# Altium PCB LAY-94611_B.PcbDoc (part 10 of 16)
Units mil, origin at the board's own origin, x right, y up, seen from the top; angles counter-clockwise.
Board outline 4133.86 x 2559.05 mil, 10 copper layers (TOP, GND02, ART03, PWR04, PWR05, ART06, GND7, ART08, GND09, BOTTOM), stack 57.82 mil thick; 1104 components, 727 nets, 3774 pads, 1630 vias.
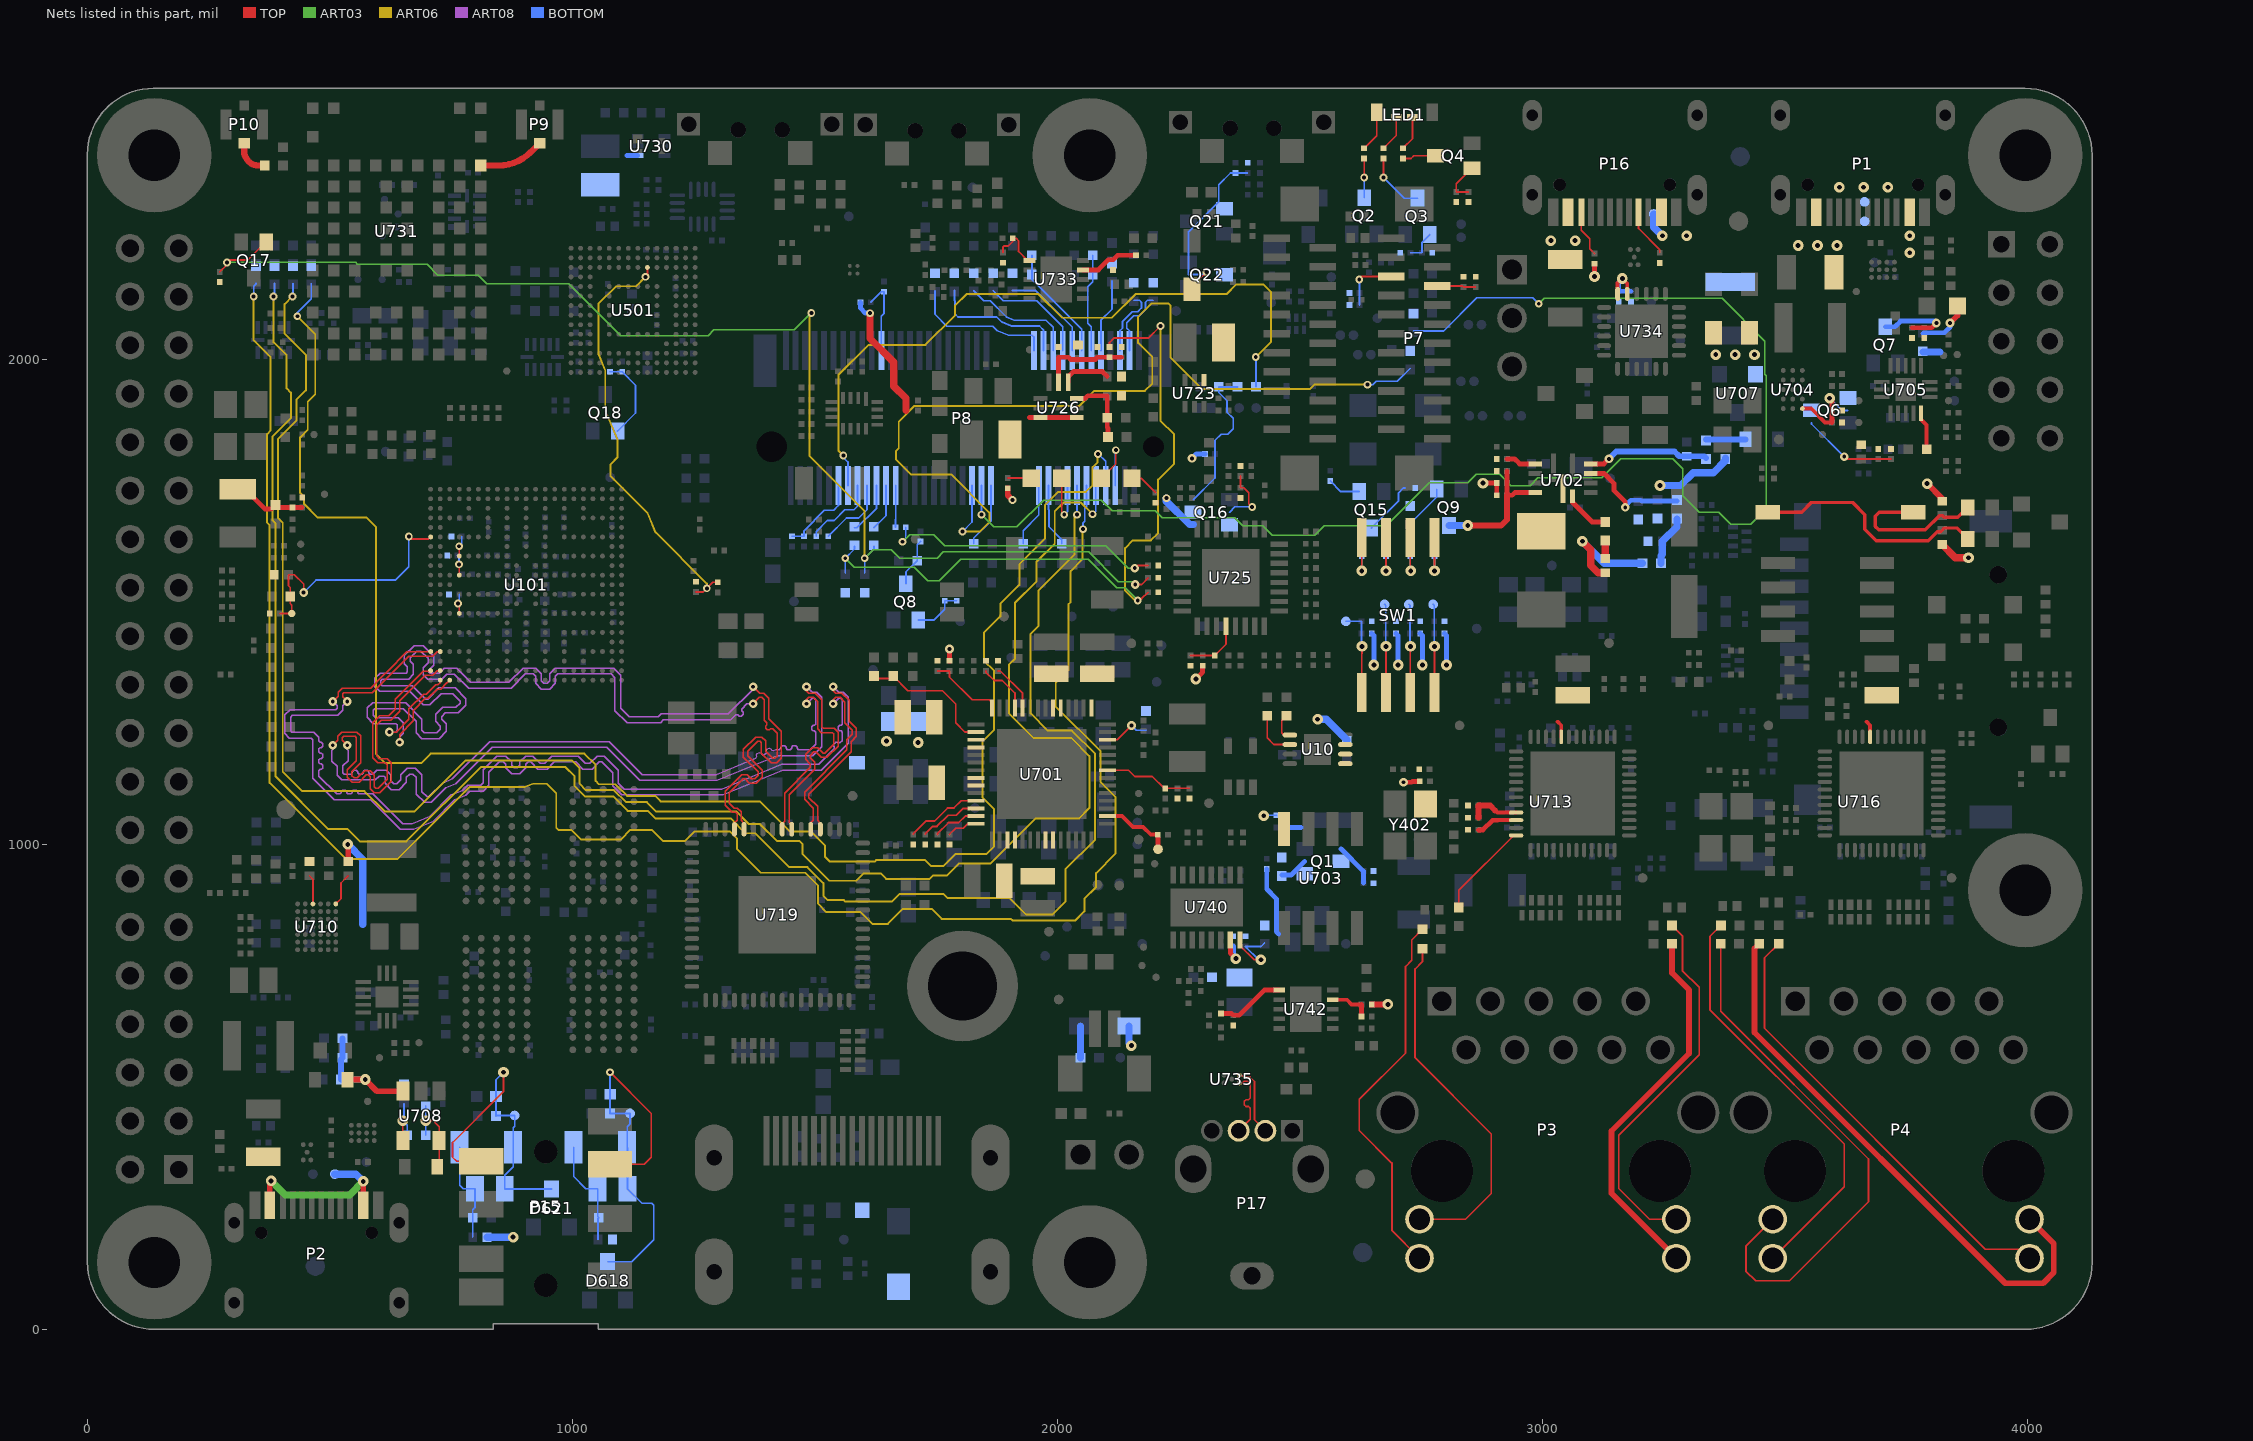
[diagram p18: the nets of this part, all layers, seen from the top]

## Via types
v1: diameter 16/16/0/0/0/0/16/0/16/16 (per signal layer), hole 8, TOP to BOTTOM, tented both sides, 177 vias
v2: diameter 22/22/0/0/0/0/22/0/22/22 (per signal layer), hole 10, TOP to BOTTOM, tented both sides, 156 vias
v3: diameter 16/0/16/0/0/0/0/0/0/16 (per signal layer), hole 8, TOP to BOTTOM, tented both sides, 137 vias
v4: diameter 16/0/0/0/0/16/0/0/0/16 (per signal layer), hole 8, TOP to BOTTOM, tented both sides, 94 vias
v5: diameter 16, hole 8, TOP to BOTTOM, tented both sides, 88 vias
v6: diameter 18/0/0/0/0/0/0/18/0/18 (per signal layer), hole 8, TOP to BOTTOM, tented both sides, 84 vias
v7: diameter 22, hole 10, TOP to BOTTOM, tented both sides, 83 vias
v8: diameter 18, hole 8.1, TOP to BOTTOM, tented both sides, 78 vias
v9: diameter 16/0/0/0/0/0/0/16/0/16 (per signal layer), hole 8, TOP to BOTTOM, tented both sides, 77 vias
v10: diameter 18/18/0/0/0/0/18/0/18/18 (per signal layer), hole 8, TOP to BOTTOM, tented both sides, 62 vias
v11: diameter 18/0/18/0/0/0/0/0/0/18 (per signal layer), hole 8, TOP to BOTTOM, tented both sides, 50 vias
v12: diameter 16/0/0/16/0/0/0/0/0/16 (per signal layer), hole 8, TOP to BOTTOM, tented both sides, 49 vias
v13: diameter 22/0/0/0/22/0/0/0/0/22 (per signal layer), hole 10, TOP to BOTTOM, tented both sides, 49 vias
v14: diameter 22/0/22/0/0/0/0/0/0/22 (per signal layer), hole 10, TOP to BOTTOM, tented both sides, 48 vias
v15: diameter 18, hole 8, TOP to BOTTOM, tented both sides, 47 vias
v16: diameter 16/0/0/0/16/0/0/0/0/16 (per signal layer), hole 8, TOP to BOTTOM, tented both sides, 40 vias
v17: diameter 22/0/0/22/0/0/0/0/0/22 (per signal layer), hole 10, TOP to BOTTOM, tented both sides, 40 vias
v18: diameter 22/0/0/0/0/0/0/22/0/22 (per signal layer), hole 10, TOP to BOTTOM, tented both sides, 31 vias
v19: diameter 22/0/0/0/0/22/0/0/0/22 (per signal layer), hole 10, TOP to BOTTOM, tented both sides, 30 vias
v20: diameter 18/0/0/0/0/18/0/0/0/18 (per signal layer), hole 8, TOP to BOTTOM, tented both sides, 27 vias
v21: diameter 16/16/16/0/0/0/0/0/0/16 (per signal layer), hole 8, TOP to BOTTOM, tented both sides, 24 vias
v22: diameter 16/0/16/0/0/16/0/0/0/16 (per signal layer), hole 8, TOP to BOTTOM, tented both sides, 14 vias
v23: diameter 22/22/0/22/0/0/22/0/22/22 (per signal layer), hole 10, TOP to BOTTOM, tented both sides, 14 vias
v24: diameter 16/16/16/0/0/0/16/0/16/16 (per signal layer), hole 8, TOP to BOTTOM, tented both sides, 11 vias
v25: diameter 18/0/0/0/0/18/0/18/0/18 (per signal layer), hole 8, TOP to BOTTOM, tented both sides, 11 vias
v26: diameter 18/0/0/18/0/0/0/0/0/18 (per signal layer), hole 8, TOP to BOTTOM, tented both sides, 11 vias
v27: diameter 18/0/0/0/18/0/0/0/0/18 (per signal layer), hole 8, TOP to BOTTOM, tented both sides, 10 vias
v28: diameter 16/0/16/0/0/0/0/16/0/16 (per signal layer), hole 8, TOP to BOTTOM, tented both sides, 8 vias
v29: diameter 16/16/0/16/0/0/16/0/16/16 (per signal layer), hole 8, TOP to BOTTOM, tented both sides, 8 vias
v30: diameter 18/18/0/18/0/0/18/0/18/18 (per signal layer), hole 8, TOP to BOTTOM, tented both sides, 6 vias
v31: diameter 22/0/0/0/22/22/0/0/0/22 (per signal layer), hole 10, TOP to BOTTOM, tented both sides, 6 vias
v32: diameter 16/0/16/16/0/0/0/0/0/16 (per signal layer), hole 8, TOP to BOTTOM, tented both sides, 5 vias
v33: diameter 18/18/0/18/18/0/18/0/18/18 (per signal layer), hole 8, TOP to BOTTOM, tented both sides, 5 vias
v34: diameter 16/0/0/0/0/16/0/16/0/16 (per signal layer), hole 8, TOP to BOTTOM, tented both sides, 4 vias
v35: diameter 22/0/22/22/0/0/0/0/0/22 (per signal layer), hole 10, TOP to BOTTOM, tented both sides, 4 vias
v36: diameter 16/0/16/16/0/16/0/0/0/16 (per signal layer), hole 8, TOP to BOTTOM, tented both sides, 3 vias
v37: diameter 22/22/0/0/22/0/22/0/22/22 (per signal layer), hole 10, TOP to BOTTOM, tented both sides, 3 vias
v38: diameter 22/0/0/22/22/22/0/0/0/22 (per signal layer), hole 10, TOP to BOTTOM, tented both sides, 3 vias
v39: diameter 22/0/22/0/0/22/0/0/0/22 (per signal layer), hole 10, TOP to BOTTOM, tented both sides, 3 vias
v40: diameter 22/0/22/0/0/0/0/22/0/22 (per signal layer), hole 10, TOP to BOTTOM, tented both sides, 3 vias
v41: diameter 16/0/16/0/16/0/0/0/0/16 (per signal layer), hole 8, TOP to BOTTOM, tented both sides, 3 vias
v42: diameter 22/22/0/22/22/0/22/0/22/22 (per signal layer), hole 10, TOP to BOTTOM, tented both sides, 2 vias
v43: diameter 18/0/18/0/0/0/0/18/0/18 (per signal layer), hole 8, TOP to BOTTOM, tented both sides, 2 vias
v44: diameter 22/0/0/22/0/22/0/0/0/22 (per signal layer), hole 10, TOP to BOTTOM, tented both sides, 2 vias
v45: diameter 22/0/0/0/0/22/0/22/0/22 (per signal layer), hole 10, TOP to BOTTOM, tented both sides, 2 vias
v46: diameter 22/0/22/0/22/0/0/0/0/22 (per signal layer), hole 10, TOP to BOTTOM, tented both sides, 2 vias
v47: diameter 22/0/0/22/22/0/0/0/0/22 (per signal layer), hole 10, TOP to BOTTOM, tented both sides, 2 vias
v48: diameter 16/0/0/16/0/16/0/0/0/16 (per signal layer), hole 8, TOP to BOTTOM, tented both sides, 1 vias
v49: diameter 18/0/18/0/0/18/0/0/0/18 (per signal layer), hole 8, TOP to BOTTOM, tented both sides, 1 vias
v50: diameter 18/18/0/0/18/0/18/0/18/18 (per signal layer), hole 8, TOP to BOTTOM, tented both sides, 1 vias
v51: diameter 16/16/0/16/16/0/16/0/16/16 (per signal layer), hole 8, TOP to BOTTOM, tented both sides, 1 vias
v52: diameter 18/0/18/0/18/0/0/0/0/18 (per signal layer), hole 8, TOP to BOTTOM, tented both sides, 1 vias
v53: diameter 18/0/0/0/18/18/0/0/0/18 (per signal layer), hole 8, TOP to BOTTOM, tented both sides, 1 vias
v54: diameter 22/0/22/0/22/22/0/22/0/22 (per signal layer), hole 10, TOP to BOTTOM, tented both sides, 1 vias
v55: diameter 22/0/0/0/22/22/0/22/0/22 (per signal layer), hole 10, TOP to BOTTOM, tented both sides, 1 vias
v56: diameter 16/16/16/0/0/0/16/0/0/16 (per signal layer), hole 8, TOP to BOTTOM, tented both sides, 1 vias
v57: diameter 22/0/0/22/0/0/0/22/0/22 (per signal layer), hole 10, TOP to BOTTOM, tented both sides, 1 vias
v58: diameter 16/0/0/0/16/16/0/0/0/16 (per signal layer), hole 8, TOP to BOTTOM, tented both sides, 1 vias
v59: diameter 16/0/0/16/16/0/0/0/0/16 (per signal layer), hole 8, TOP to BOTTOM, tented both sides, 1 vias

## Nets (pads, with @x,y where several pads share a name; then routed paths per layer and width w, separated by ;. In a path a pad name is that pad's centre, name@x,y a point inside that pad or via, vN(x,y) a via of type N, cw(c..) or ccw(c..) an arc to the next point about the centre after c; other vN are vias at no path point) (continued)
LVDS_TX1_N: U101.A4 U719.20 | length 2413.4
  TOP w2.79: v6(505.8,1294.45) 517.2,1305.85 517.2,1313.79 525.21,1321.8 583.79,1321.8 610.37,1348.38 ; 610.38,1348.38 617.8,1355.8 658.79,1396.8 706.86,1396.8 U101.A4@707.75,1397.69 ; U719.20@1511.38,1031.18 1511.38,1044.05 1505.91,1049.52 1505.91,1049.67 1505.96,1049.72 1505.96,1078.29 1487.6,1096.65 1487.6,1103.79 1574.8,1190.99 1574.8,1212 1585.8,1223 1585.8,1239 1570.6,1254.2 1570.6,1297.02 1555.7,1311.92 1542.75,1311.92 1537.8,1316.87 v6(1537.8,1325)
  ART08 w2.81: v6(505.8,1294.45) 514.8,1285.45 514.8,1281.2 511.55,1277.95 417.77,1277.95 406.8,1266.98 406.8,1228.84 416.64,1219 461.99,1219 464.8,1216.19 464.8,1136.02 508.82,1092 583.82,1092 644.82,1031 672.66,1031 713.89,1048.1 757.44,1091.66 779.67,1100.87 788.8,1110 816.04,1110 827.88,1121.84 827.88,1149.08 848.8,1170 857.92,1170 862.86,1165.06 862.86,1157.96 874.82,1146 891.76,1146 903.72,1157.96 903.72,1165.06 908.66,1170 913.8,1170 928.8,1155 947.8,1155 962.8,1170 1006.8,1170 1021.8,1155 1040.78,1155 1055.78,1170 1060.82,1170 1082.92,1147.9 1082.92,1121.3 1102.22,1102 1310.82,1102 1433.95,1153 1512.8,1153 1568.8,1209 1568.8,1303.23 1558.53,1313.5 1549.3,1313.5 v6(1537.8,1325)
LVDS_TX1_P: U101.B4 U719.21 | length 2411.7
  TOP w2.79: v6(535.8,1294.45) 526,1304.25 526,1310.14 528.86,1313 587.44,1313 614.02,1339.58 ; 614.03,1339.58 624.03,1349.58 ; 624.02,1349.58 662.44,1388 711.89,1388 721.58,1397.69 U101.B4@727.43,1397.69 ; U719.21@1491.7,1031.18 1491.7,1044.26 1497.16,1049.72 1497.16,1074.64 1478.8,1093 1478.8,1107.44 1566,1194.64 1566,1215.65 1577,1226.65 1577,1235.35 1561.8,1250.55 1561.8,1293.37 1552.05,1303.12 1542.8,1303.12 1537.8,1298.12 v6(1537.8,1290)
  ART08 w2.81: v6(535.8,1294.45) 526.8,1285.45 526.8,1276.22 516.53,1265.95 422.75,1265.95 418.8,1262 418.8,1233.82 421.62,1231 466.97,1231 476.8,1221.17 476.8,1213.58 479.61,1210.77 481.99,1210.77 484.8,1207.96 484.8,1202.34 481.99,1199.53 479.61,1199.53 476.8,1196.72 476.8,1191.1 479.61,1188.29 481.99,1188.29 484.8,1185.48 484.8,1179.86 481.99,1177.05 479.61,1177.05 476.8,1174.24 476.8,1168.62 479.61,1165.81 481.99,1165.81 484.8,1163 484.8,1157.38 481.99,1154.57 479.61,1154.57 476.8,1151.76 476.8,1141 513.8,1104 520.38,1104 523.19,1106.81 523.19,1109.19 526,1112 531.62,1112 534.43,1109.19 534.43,1106.81 537.24,1104 542.86,1104 545.67,1106.81 545.67,1109.19 548.48,1112 554.1,1112 556.91,1109.19 556.91,1106.81 559.72,1104 588.8,1104 649.8,1043 670.26,1043 707.08,1058.28 750.64,1101.84 772.87,1111.05 783.82,1122 811.06,1122 815.88,1126.82 815.88,1154.06 843.82,1182 862.9,1182 874.86,1170.04 874.86,1162.94 879.8,1158 886.78,1158 891.72,1162.94 891.72,1170.04 903.68,1182 918.78,1182 933.78,1167 942.82,1167 957.82,1182 1011.78,1182 1026.78,1167 1035.8,1167 1050.8,1182 1065.8,1182 1094.92,1152.88 1094.92,1126.28 1107.2,1114 1308.43,1114 1431.56,1165 1507.82,1165 1539.97,1197.15 1539.97,1201.13 1538.94,1202.16 1538.94,1206.14 1542.91,1210.11 1546.89,1210.11 1547.92,1209.08 1551.9,1209.08 1556.8,1213.98 1556.8,1231.2 1553.99,1234.01 1551.61,1234.01 1548.8,1236.82 1548.8,1242.44 1551.61,1245.25 1553.99,1245.25 1556.8,1248.06 1556.8,1298.25 1553.55,1301.5 1549.3,1301.5 v6(1537.8,1290)
LVDS_TX2_N: U101.A2 U719.23 | length 2413.6
  TOP w2.79: v6(505.8,1204.45) 516.42,1215.07 516.42,1223.31 518.97,1225.86 518.97,1225.93 524.77,1231.73 555.65,1231.73 563.6,1223.78 563.6,1168.79 544.8,1149.99 544.8,1142.01 549.8,1137.01 556.81,1137.01 571.68,1151.88 582.92,1151.88 591.8,1143 591.8,1118.52 594.6,1115.72 599.51,1115.72 618,1134.21 618,1164.41 614.21,1168.2 598.6,1168.2 588,1178.8 588,1250.65 602.35,1265 621.35,1265 635,1278.65 635,1299.65 692.62,1357.27 706.7,1357.27 U101.A2@707.75,1358.32 ; U719.23@1452.33,1031.18 1452.33,1040.47 1446.86,1045.94 1446.86,1102.06 1499.69,1154.89 1499.69,1169.11 1490.11,1178.69 1490.11,1182.62 1498.04,1190.55 1501.98,1190.55 1513.27,1179.26 1524.5,1179.26 1547.8,1202.56 1547.8,1231.5 1539.85,1239.45 1517.35,1239.45 1514.55,1242.25 1514.55,1298 1500.68,1311.87 1487.8,1311.87 1482.8,1316.87 v6(1482.8,1325)
  ART08 w2.81: v6(505.8,1204.45) 505.8,1195.45 504.3,1193.95 504.3,1171.5 514.8,1161 514.8,1142.83 524.63,1133 593.78,1133 601.78,1141 610.99,1141 613.8,1138.19 613.8,1125.83 626.63,1113 642.79,1113 657.8,1128.01 657.8,1138.19 664.61,1145 670.98,1145 677.8,1138.18 677.8,1103.8 695.24,1086.36 709.16,1086.36 739.09,1116.3 759.57,1124.77 834.8,1200 1070.82,1200 1138.82,1132 1298.94,1132 1422.07,1183 1495.8,1183 1513.8,1201 1513.8,1303.23 1503.53,1313.5 1494.3,1313.5 v6(1482.8,1325)
LVDS_TX2_P: U101.B2 U719.24 | length 2413.3
  TOP w2.79: v6(535.8,1204.45) 525.17,1215.08 525.17,1219.68 528.42,1222.93 552,1222.93 554.8,1220.13 554.8,1172.44 536,1153.64 536,1138.36 538.56,1135.79 546.15,1128.21 560.46,1128.21 575.33,1143.08 579.27,1143.08 583,1139.35 583,1114.87 590.95,1106.92 603.16,1106.92 626.8,1130.56 626.8,1168.06 617.86,1177 602.25,1177 596.8,1182.45 596.8,1247 606,1256.2 625,1256.2 643.8,1275 643.8,1296 696.27,1348.47 711.73,1348.47 721.58,1358.32 U101.B2@727.43,1358.32 ; U719.24@1432.64,1031.18 1432.64,1041.85 1438.06,1047.27 1438.06,1105.71 1490.89,1158.54 1490.89,1165.46 1481.31,1175.04 1481.31,1186.27 1494.39,1199.35 1505.63,1199.35 1516.92,1188.06 1520.85,1188.06 1539,1206.21 1539,1227.85 1536.2,1230.65 1513.7,1230.65 1505.75,1238.6 1505.75,1294.35 1496.98,1303.12 1487.8,1303.12 1482.8,1298.12 v6(1482.8,1290)
  ART08 w2.81: v6(535.8,1204.45) 535.8,1195.45 537.3,1193.95 537.3,1172.5 526.8,1162 526.8,1147.81 529.61,1145 543.56,1145 546.37,1147.81 546.37,1150.19 549.18,1153 554.8,1153 557.61,1150.19 557.61,1147.81 560.42,1145 566.04,1145 568.85,1147.81 568.85,1150.19 571.66,1153 577.28,1153 580.09,1150.19 580.09,1147.81 582.9,1145 588.8,1145 596.8,1153 615.97,1153 625.8,1143.17 625.8,1130.81 631.61,1125 637.81,1125 645.8,1132.99 645.8,1143.17 659.63,1157 675.96,1157 689.8,1143.16 689.8,1108.78 700.22,1098.36 704.18,1098.36 732.29,1126.48 752.77,1134.95 829.82,1212 1075.8,1212 1143.8,1144 1296.55,1144 1378.31,1177.87 1379.82,1181.5 1378.97,1183.56 1380.49,1187.22 1385.7,1189.39 1389.36,1187.87 1390.21,1185.81 1393.87,1184.29 1399.08,1186.46 1400.6,1190.12 1399.75,1192.18 1401.27,1195.84 1406.48,1198.01 1410.14,1196.49 1410.99,1194.43 1414.65,1192.91 1419.68,1195 1426.75,1195 1429.56,1197.81 1429.56,1200.19 1432.37,1203 1437.99,1203 1440.8,1200.19 1440.8,1197.81 1443.61,1195 1449.23,1195 1452.04,1197.81 1452.04,1200.19 1454.85,1203 1460.47,1203 1463.28,1200.19 1463.28,1197.81 1466.09,1195 1490.82,1195 1501.8,1205.98 1501.8,1231.2 1498.99,1234.01 1496.61,1234.01 1493.8,1236.82 1493.8,1242.44 1496.61,1245.25 1498.99,1245.25 1501.8,1248.06 1501.8,1298.25 1498.55,1301.5 1494.3,1301.5 v6(1482.8,1290)
LVDS_TX3_N: U101.B1 U719.28 | length 2413.7
  TOP w2.79: v6(622.53,1231.73) 636.53,1231.73 663,1258.2 663,1279.69 693.11,1309.8 698.53,1309.8 715.17,1326.44 715.24,1326.44 717.8,1329 722.8,1329 727.43,1333.63 U101.B1@727.43,1338.64 ; U719.28@1353.9,1031.18 1353.9,1044.05 1348.43,1049.52 1348.43,1066.85 1340.48,1074.8 1333.45,1074.8 1323.8,1084.45 1323.8,1105.99 1352.67,1134.86 1356.61,1134.86 1365.02,1126.45 1379.24,1126.45 1391.68,1138.89 1391.68,1153.11 1361.6,1183.19 1361.6,1192.36 1381.82,1212.58 1387.21,1212.58 1390,1209.79 1390,1188.35 1409.94,1168.41 1421.2,1168.41 1430.8,1178.01 1430.8,1233 1404.55,1259.25 1404.55,1301.76 1394.56,1311.75 1386.05,1311.75 v6(1372.8,1325)
  ART08 w2.81: v6(622.53,1231.73) 636.55,1231.73 638.8,1233.98 638.8,1246.19 635.99,1249 589.83,1249 577.1,1261.73 577.1,1281.27 587.83,1292 656.3,1292 689.8,1258.5 689.8,1234.98 694.78,1230 719.99,1230 727.81,1237.82 727.81,1244.01 718.27,1253.55 718.27,1268.47 732.8,1283 759.8,1283 768.32,1291.52 768.32,1295.48 753.3,1310.5 729.3,1310.5 706.27,1287.47 692.35,1287.47 664.32,1315.5 602.45,1315.5 592.62,1325.33 592.62,1342.17 603.45,1353 657.14,1353 659.96,1355.82 659.96,1366.12 653.4,1372.68 653.4,1389.6 673.8,1410 692.8,1410 714.34,1388.46 714.34,1369.54 704.04,1359.24 704.04,1355.26 706.85,1352.45 725.25,1352.45 735.8,1363 761.8,1363 790.8,1334 868.82,1334 898.32,1363.5 924.58,1363.5 936.04,1352.04 936.04,1336.94 940.98,1332 947.96,1332 952.9,1336.94 952.9,1352.04 964.36,1363.5 1085.3,1363.5 1099.8,1349 1099.8,1281 1117.8,1263 1176.8,1263 1182.8,1269 1321.8,1269 1372.8,1320 v6(1372.8,1325)
LVDS_TX3_P: U101.C1 U719.29 | length 2412.9
  TOP w2.79: v6(643.75,1210.52) 643.75,1226.5 671.8,1254.55 671.8,1276.04 696.76,1301 702.18,1301 721.43,1320.25 728.15,1320.25 740.9,1333 741.48,1333 U101.C1@747.12,1338.64 ; U719.29@1334.22,1031.18 1334.22,1044.26 1339.68,1049.72 1339.63,1049.77 1339.63,1063.2 1336.83,1066 1329.8,1066 1315,1080.8 1315,1109.64 1349.02,1143.66 1360.26,1143.66 1368.67,1135.25 1375.59,1135.25 1382.88,1142.54 1382.88,1149.46 1352.8,1179.54 1352.8,1196.01 1378.17,1221.38 1390.86,1221.38 1398.8,1213.44 1398.8,1192 1413.59,1177.21 1417.55,1177.21 1422,1181.66 1422,1229.35 1413.15,1238.2 1408.53,1238.2 1406.88,1236.55 1402.26,1236.55 1398.98,1239.83 1398.98,1244.45 1400.63,1246.1 1400.63,1250.72 1395.75,1255.6 1395.75,1298.08 1395.8,1298.13 1390.93,1303 1385.8,1303 v6(1372.8,1290)
  ART08 w2.81: v6(643.75,1210.52) 643.75,1221.95 650.8,1229 650.8,1251.17 640.97,1261 594.81,1261 589.1,1266.71 589.1,1276.29 592.81,1280 651.32,1280 677.8,1253.52 677.8,1230 689.8,1218 724.97,1218 739.81,1232.84 739.81,1248.99 730.27,1258.53 730.27,1263.49 737.78,1271 764.78,1271 780.32,1286.54 780.32,1300.46 758.28,1322.5 724.32,1322.5 701.29,1299.47 697.33,1299.47 669.3,1327.5 607.43,1327.5 604.62,1330.31 604.62,1337.19 608.43,1341 662.12,1341 671.96,1350.84 671.96,1371.1 665.4,1377.66 665.4,1384.62 678.78,1398 687.82,1398 702.34,1383.48 702.34,1374.52 692.04,1364.22 692.04,1350.28 701.87,1340.45 730.23,1340.45 740.78,1351 756.82,1351 785.82,1322 873.8,1322 903.3,1351.5 919.6,1351.5 924.04,1347.06 924.04,1331.96 936,1320 952.94,1320 964.9,1331.96 964.9,1347.06 969.34,1351.5 1080.32,1351.5 1087.8,1344.02 1087.8,1276.02 1112.82,1251 1181.78,1251 1187.78,1257 1326.78,1257 1337.01,1267.23 1340.99,1267.23 1344.02,1264.2 1348,1264.2 1351.97,1268.17 1351.97,1272.15 1348.94,1275.18 1348.94,1279.16 1359.78,1290 v6(1372.8,1290)
M2_DIS1: P8.56 R2866.2 | length 108.8
  BOTTOM w3.62: 1581.8,1653 1586.8,1653 1627.32,1693.52 P8.56@1627.32,1740
M2_DIS2: P8.54 R2867.2 | length 97.4
  BOTTOM w3.62: 1621.8,1653 1647.01,1678.21 P8.54@1647.01,1740
M2_I2C_SCL: P8.60 R2857.1 | length 159.1
  BOTTOM w3.62: R2857.1@1502.8,1635.51 1502.8,1644.99 1525.81,1668 1539.8,1668 1561.8,1690 1580.81,1690 1587.95,1697.14 P8.60@1587.95,1740
M2_I2C_SDA: P8.58 R2856.1 | length 152.5
  BOTTOM w3.62: R2856.1@1527.8,1635.51 1565.29,1673 1590.8,1673 1607.64,1689.84 P8.58@1607.64,1740
M2_LED1#: D613.C P8.6 | length 143.8
  TOP w3.62: D613.C@2091.3,1755 2120.8,1784.5 v5(2120.8,1813)
  BOTTOM w3.62: P8.6@2119.45,1740 2119.45,1811.65 v5(2120.8,1813)
M2_LED2#: D614.C P8.16 | length 140.2
  TOP w3.62: D614.C@2009.3,1755 2009.3,1685.5 2014.3,1680.5 v5(2014.3,1680)
  BOTTOM w3.62: v5(2014.3,1680) 2014.8,1680 2021.03,1686.23 P8.16@2021.03,1740
M2_NALERT: Q16.3 R2759.2 R2873.2 | length 210
  TOP w3.62: 2377.8,1759.49 2377.8,1735.51 2384.49,1735.51 2395,1725 2395,1702.8 v5(2401.8,1696)
  BOTTOM w3.62: 2355.27,1685 2366.27,1696 v5(2401.8,1696)
  BOTTOM w15: v12(2224.95,1714) 2224.95,1707.84 2273.29,1659.5 2280.33,1659.5
M2_NDIS1: R2773.2 R2782.1 R2866.1 R2870.1 | length 1551.2
  TOP w3.62: 2107.8,2025.51 2107.8,2035 2116.8,2044 2187.8,2044 v4(2212.8,2069) ; v22(2165.8,1503) 2173.46,1506.17 2187.29,1520
  ART03 w3.09: v3(1562.8,1590.01) 1580.81,1572 1704.8,1572 1732.8,1544 1756.8,1544 1800.8,1588 2063.67,1588 2122.67,1529 2139.8,1529 v22(2165.8,1503)
  ART06 w4: v22(2165.8,1503) 2159.8,1503 2139.8,1523 2139.8,1611 2155.8,1627 2192.8,1627 2207.8,1642 2207.8,1752 2240.8,1785 2240.8,1846 2212.8,1874 v4(2212.8,2069)
  BOTTOM w3.62: 1562.8,1559 v3(1562.8,1590.01) 1581.8,1609.01 1581.8,1615
M2_NDIS2: Q17.1 R2774.2 R2867.1 R2871.1 R2955.1 | length 2667.8
  TOP w3.62: 272.8,2180.51 287.8,2195.51 v3(287.8,2200) 292.8,2205 330.83,2205 Q17.1@368.3,2242.47 ; v11(2160.8,1536) 2173.8,1536 2187.29,1549.49 2187.29,1550
  ART03 w3.09: v3(287.8,2200) 552.8,2200 556.8,2196 700.8,2196 722.8,2174 805.8,2174 823.3,2156.5 992.3,2156.5 1099.8,2049 1279.8,2049 1291.8,2061 1457.8,2061 v22(1492.8,2096) ; v22(1602.8,1590.01) 1620.79,1608 1657.2,1608 1674.8,1590.4 1752.21,1590.4 1764.8,1602.99 2064.81,1602.99 2125.8,1542 2154.8,1542 v11(2160.8,1536)
  ART06 w4: v22(1492.8,2096) 1488.8,2092 1488.8,1801 1602.8,1687 v22(1602.8,1590.01)
  BOTTOM w3.62: 1602.8,1559 v22(1602.8,1590.01) 1621.8,1609.01 1621.8,1615
M2_NPERST: P8.52 R2865.1 | length 86.2
  BOTTOM w3.62: 1666.29,1654 1666.29,1670 1666.69,1670.4 P8.52@1666.69,1740
M2_NRST: R2772.2 R2865.2 | length 576.4
  TOP w3.62: v11(2159.8,1569.6) 2165.2,1575 2187.29,1575
  ART03 w3.09: v3(1680.8,1624) 1695.8,1639 1744.8,1639 1768.31,1615.49 2100.31,1615.49 2146.2,1569.6 v11(2159.8,1569.6)
  BOTTOM w3.62: v3(1680.8,1624) 1687.31,1630.51 1687.31,1654
M2_PCM_CLK: P8.8 R2788.2 | length 3614
  ART06 w4: v4(432.8,2089) 469.8,2052 469.8,1928 454.3,1912.5 454.3,1855 438.3,1839 438.3,1725.49 446.55,1717.24 446.55,1702.25 474.8,1674 575.8,1674 594.8,1655 594.8,1187 614.3,1167.5 688.3,1167.5 707.8,1187 1024.8,1187 1047.8,1164 1047.8,1131 1054.8,1124 1088.8,1124 1112.8,1100 1170.8,1100 1182.1,1088.7 1379.5,1088.7 1379.62,1088.82 1385.98,1088.82 1447.8,1027 1491.8,1027 1520.8,998 1520.8,975 1531.29,964.51 1623.31,964.51 1626.3,967.5 1727.3,967.5 1739.8,955 1764.8,955 1789.8,980 1853.8,980 1869.51,995.71 1869.51,1072.72 1845.8,1096.43 1845.8,1212.42 1869.8,1236.42 1869.8,1358 1848.8,1379 1848.8,1436 1882.8,1470 1882.8,1496 1921.8,1535 1921.8,1578 1974.8,1631 1974.8,1700 2001.8,1727 2058.8,1727 2072.8,1741 2072.8,1778 2083.3,1788.5 2083.3,1804.5 v4(2083.8,1805)
  BOTTOM w3.62: v4(432.8,2089) 432.8,2096 461.76,2124.96 461.76,2156.8 ; v4(2083.8,1805) 2084.8,1805 2099.77,1790.03 P8.8@2099.77,1740
M2_PCM_IN: P8.12 R2794.2 | length 4100.2
  ART06 w4: v4(342.76,2130.04) 342.76,2040.04 377.8,2005 377.8,1853.54 370.3,1846.04 370.3,1663.38 375.8,1657.88 375.8,1127 532.8,970 639.8,970 787.8,1118 901.56,1118 918.46,1125 946.8,1125 966.8,1105 966.8,1034.5 971.3,1030 997.8,1030 1017.3,1010.5 1100.3,1010.5 1119.8,1030 1163.79,1030 1186.79,1007 1232.8,1007 1252.8,1027 1324.8,1027 1339.8,1012 1339.8,990 1388.3,941.5 1480.03,941.5 1506.3,915.23 1506.3,878.23 1524.03,860.5 1594.3,860.5 1618.8,836 1650.8,836 1681.8,867 1740.8,867 1761.3,846.5 1904.3,846.5 1907.8,843 2036.8,843 2055.8,862 2055.8,888 2079.9,912.1 2079.9,940.9 2119.8,980.8 2119.8,1098 2089.3,1128.5 2089.3,1191.76 1996.8,1284.26 1996.8,1333 2022.8,1359 2022.8,1495 2027.3,1499.5 2027.3,1563.5 2051.8,1588 2051.8,1649 v4(2052.8,1650)